# Altium PCB Board.PcbDoc (part 11 of 15) (continued)
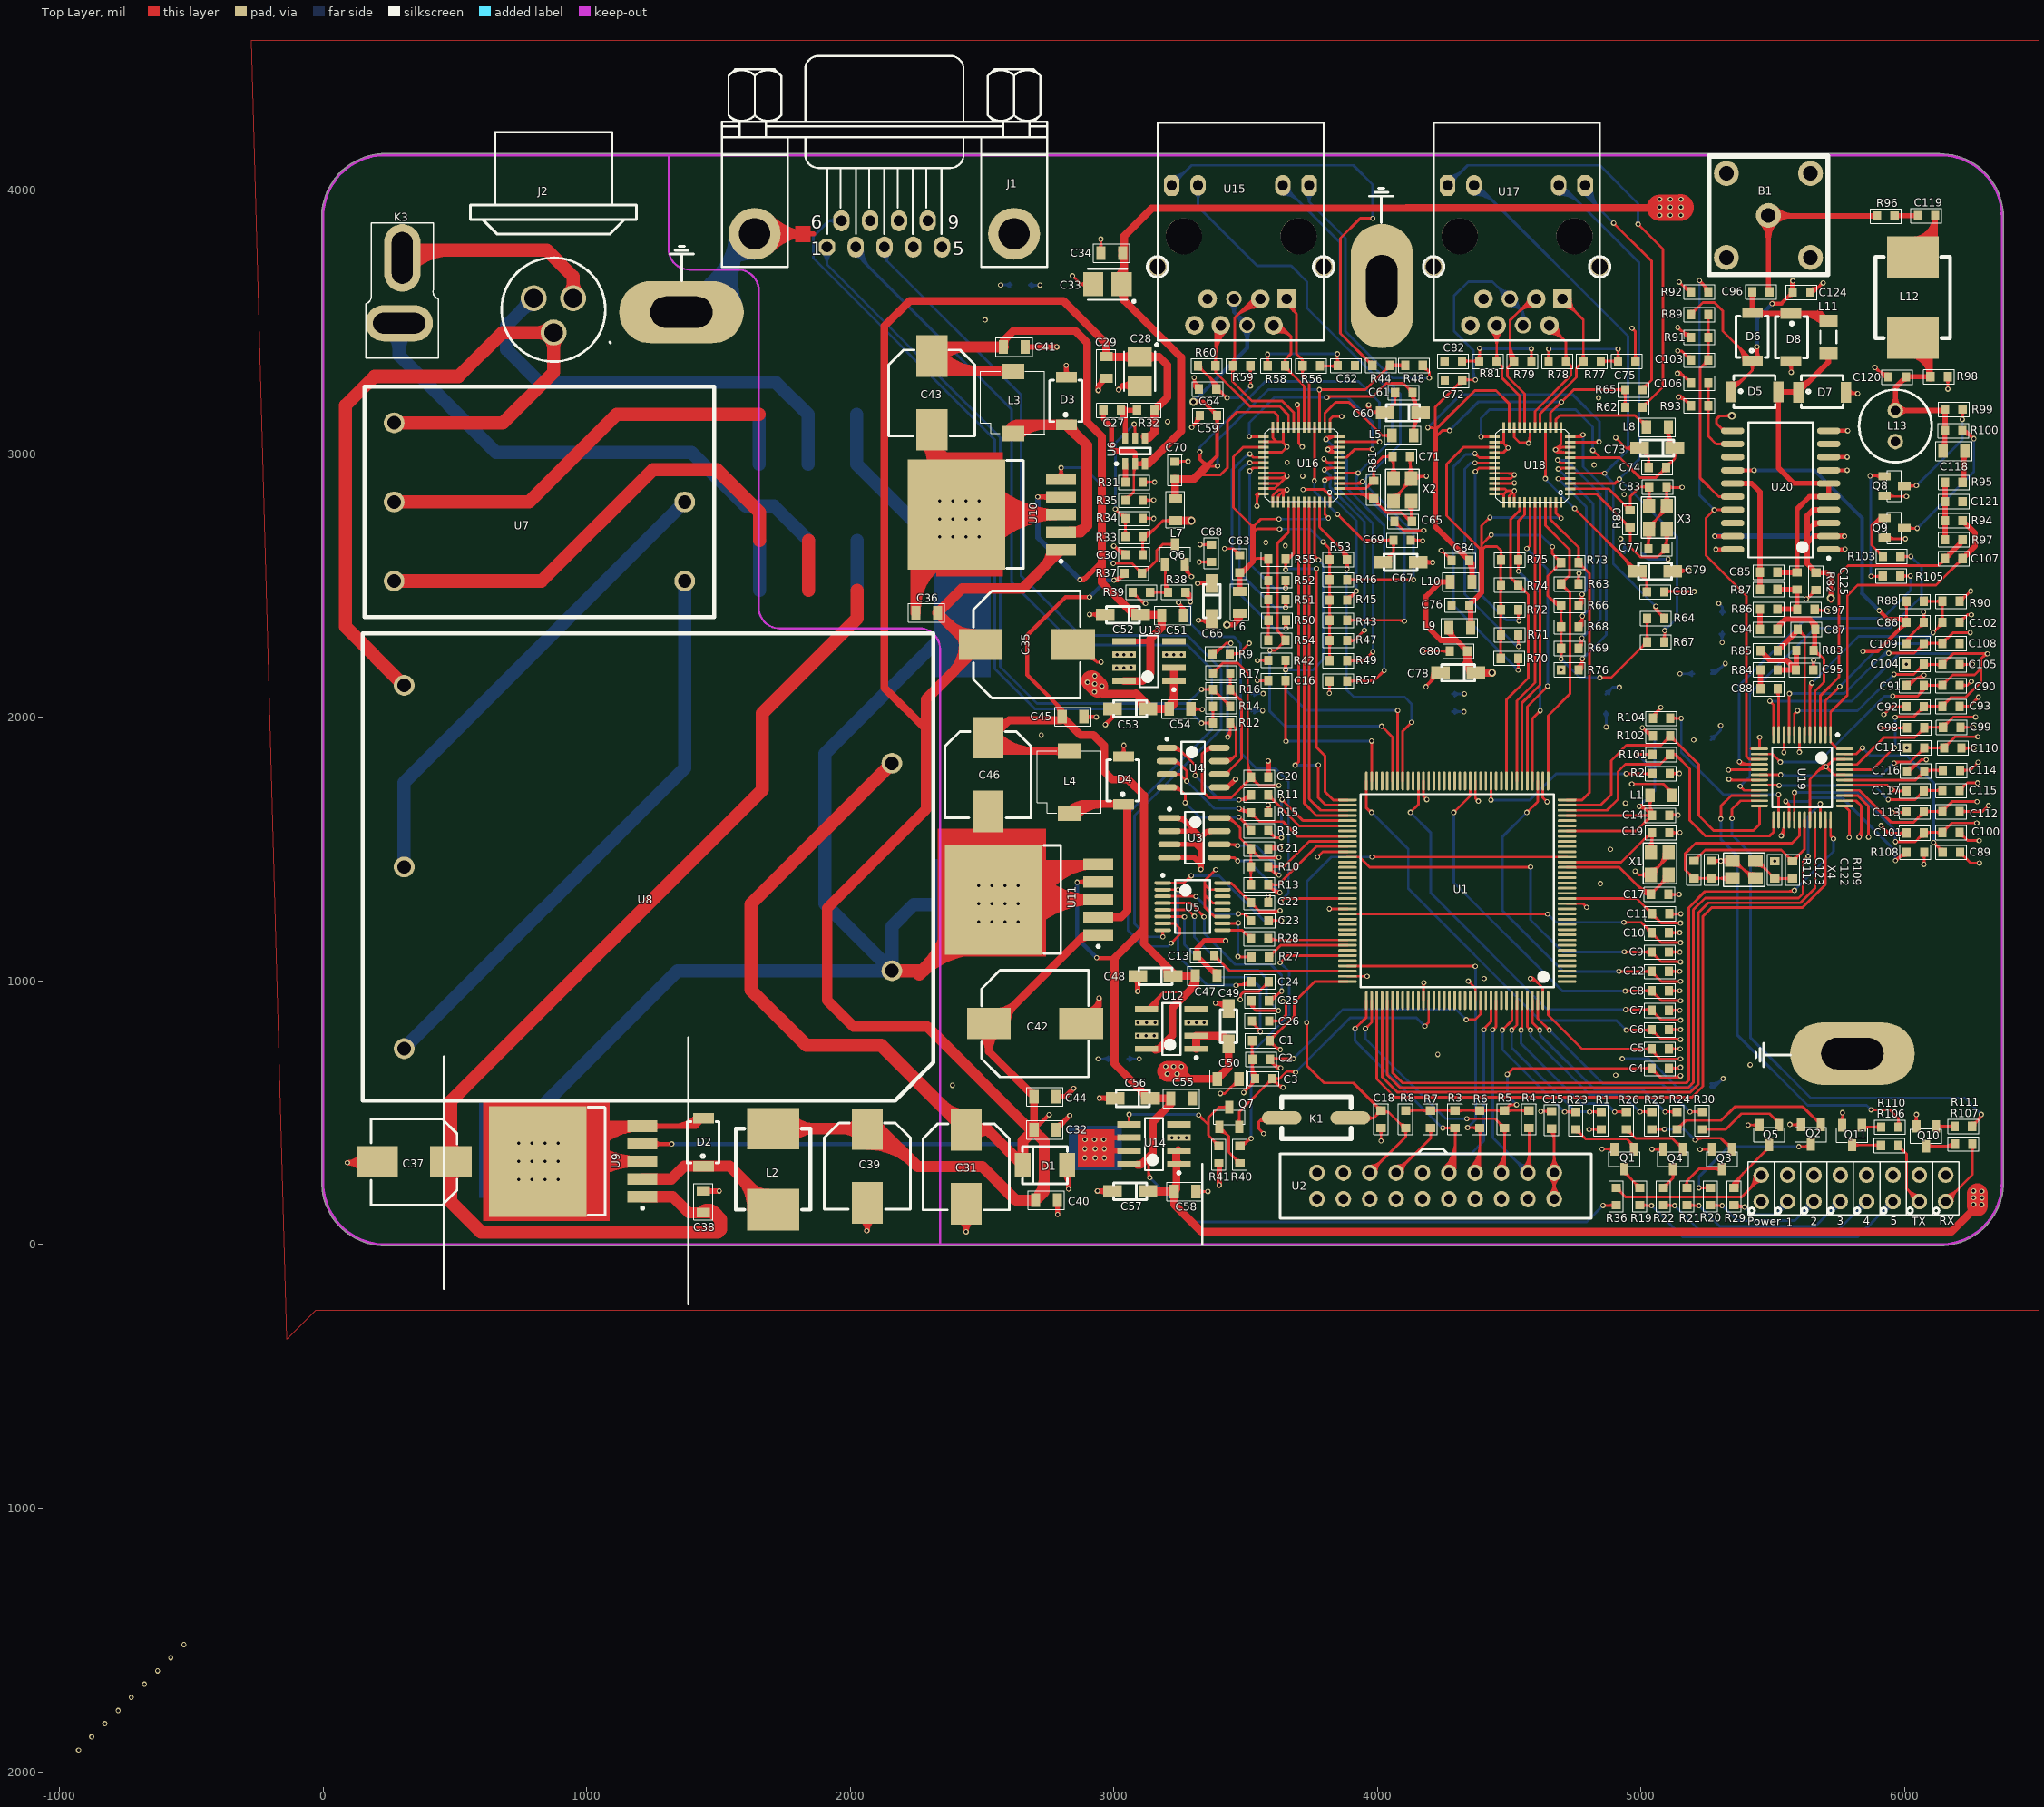
[diagram p0: Top Layer view]
## Nets (pads, with @x,y where several pads share a name; then routed paths per layer and width w, separated by ;. In a path a pad name is that pad's centre, name@x,y a point inside that pad or via, vN(x,y) a via of type N, cw(c..) or ccw(c..) an arc to the next point about the centre after c; other vN are vias at no path point) (continued)
SHDN: R108.1 U19.28 | length 1130.1
  Top Layer w10: v1@5546.6,1684.45 5561.39,1669.66 U19.28@5561.39,1611.03 ; v1(5964.6,1456.45) 5996.6,1488.45 R108.1@6007.6,1488.45 ; v1@5969.43,1455.15 cw(c5984.12,1451.22) 5976.52,1464.39 ; v1@5548.6,1676.45 cw(c5548.6,1661.96) 5558.84,1672.21 ; v1@5548.6,1676.45 cw(c5548.6,1661.96) 5558.84,1672.21 ; v1@5548.6,1676.45 cw(c5548.6,1661.96) 5558.84,1672.21 ; v1@5553.6,1681.45 ccw(c5563.26,1681.45) 5556.43,1674.62 ; v1@5553.6,1681.45 ccw(c5563.26,1681.45) 5556.43,1674.62 ; v1@5553.6,1681.45 ccw(c5563.26,1681.45) 5556.43,1674.62 ; v1@5964.6,1461.45 ccw(c5964.6,1473.52) 5973.13,1464.98 ; v1@5964.6,1461.45 ccw(c5964.6,1473.52) 5973.13,1464.98 ; v1@5964.6,1461.45 ccw(c5964.6,1473.52) 5973.13,1464.98 ; v1@5967.11,1458.96 cw(c6007.6,1418.48) R108.1@6007.6,1475.73 ; v1@5967.11,1458.96 cw(c6007.6,1418.48) R108.1@6007.6,1475.73 ; v1@5967.11,1458.96 cw(c6007.6,1418.48) R108.1@6007.6,1475.73 ; v1@5969.6,1456.45 cw(c5981.67,1456.45) 5973.13,1464.98 ; v1@5969.6,1456.45 cw(c5981.67,1456.45) 5973.13,1464.98 ; v1@5969.6,1456.45 cw(c5981.67,1456.45) 5973.13,1464.98 ; 5984.18,1476.03 cw(c6007.6,1452.62) R108.1@6007.6,1485.73 ; 5984.18,1476.03 cw(c6007.6,1452.62) R108.1@6007.6,1485.73 ; 5984.18,1476.03 cw(c6007.6,1452.62) R108.1@6007.6,1485.73
  Bottom Layer w10: v1(5548.6,1681.45) 5633.6,1681.45 5647.6,1695.45 5761.6,1695.45 5964.6,1492.45 v1(5964.6,1456.45) ; v1@5552.13,1677.91 cw(c5560.67,1669.38) 5560.67,1681.45 ; v1@5552.13,1677.91 cw(c5560.67,1669.38) 5560.67,1681.45 ; v1@5552.13,1677.91 cw(c5560.67,1669.38) 5560.67,1681.45 ; v1@5552.13,1684.98 ccw(c5560.67,1693.52) 5560.67,1681.45 ; v1@5552.13,1684.98 ccw(c5560.67,1693.52) 5560.67,1681.45 ; v1@5552.13,1684.98 ccw(c5560.67,1693.52) 5560.67,1681.45 ; v1@5961.06,1459.98 ccw(c5952.53,1468.52) 5964.6,1468.52 ; v1@5961.06,1459.98 ccw(c5952.53,1468.52) 5964.6,1468.52 ; v1@5961.06,1459.98 ccw(c5952.53,1468.52) 5964.6,1468.52 ; 5964.6,1468.52 ccw(c5976.67,1468.52) v1@5968.13,1459.98 ; 5964.6,1468.52 ccw(c5976.67,1468.52) v1@5968.13,1459.98 ; 5964.6,1468.52 ccw(c5976.67,1468.52) v1@5968.13,1459.98
SIGNAL: B1.2 C96.1 R96.2 | length 1622.6
  Top Layer w20: C96.1@5487.6,3614.45 5482.98,3619.06 B1.2@5482.98,3904.45 5484.98,3902.45 R96.2@5895.6,3902.45 ; B1.2@5456.65,3878.11 cw(c5393.07,3814.53) 5482.98,3814.53 ; B1.2@5456.65,3878.11 cw(c5393.07,3814.53) 5482.98,3814.53 ; B1.2@5456.65,3878.11 cw(c5393.07,3814.53) 5482.98,3814.53 ; 5482.98,3641.43 ccw(c5512.61,3641.43) C96.1@5491.66,3620.48 ; 5482.98,3641.43 ccw(c5512.61,3641.43) C96.1@5491.66,3620.48 ; 5482.98,3641.43 ccw(c5512.61,3641.43) C96.1@5491.66,3620.48 ; 5482.98,3814.53 cw(c5572.9,3814.53) B1.2@5509.32,3878.11 ; 5482.98,3814.53 cw(c5572.9,3814.53) B1.2@5509.32,3878.11 ; 5482.98,3814.53 cw(c5572.9,3814.53) B1.2@5509.32,3878.11 ; B1.2@5509.32,3878.11 cw(c5568.07,3819.36) 5568.07,3902.45 ; B1.2@5509.32,3878.11 cw(c5568.07,3819.36) 5568.07,3902.45 ; B1.2@5509.32,3878.11 cw(c5568.07,3819.36) 5568.07,3902.45 ; B1.2@5509.32,3930.78 ccw(c5577.73,3999.19) 5577.73,3902.45 ; B1.2@5509.32,3930.78 ccw(c5577.73,3999.19) 5577.73,3902.45 ; B1.2@5509.32,3930.78 ccw(c5577.73,3999.19) 5577.73,3902.45
SPD1: R52.2 U16.31 | length 968.4
  Top Layer w10: v1(3515.6,2935.45) 3517.13,2935.45 3528.55,2946.87 U16.31@3567.6,2946.87 ; v1@3647.27,2492.95 ccw(c3635.99,2499.46) R52.2@3648.57,2502.84 ; 3648.92,2501.53 ccw(c3659.66,2504.4) v1@3654.1,2494.78 ; v1@3649.1,2494.78 ccw(c3643.54,2504.4) 3654.28,2501.53 ; v1(3651.6,2490.45) R52.2@3651.6,2519.45 ; R52.2@3654.63,2502.84 ccw(c3667.21,2499.46) v1@3655.93,2492.95 ; R52.2@3644,2509.88 cw(c3625.65,2491.53) v1@3651.6,2491.53 ; R52.2@3644,2509.88 cw(c3625.65,2491.53) v1@3651.6,2491.53 ; R52.2@3644,2509.88 cw(c3625.65,2491.53) v1@3651.6,2491.53 ; v1@3648.06,2493.98 ccw(c3639.53,2502.52) R52.2@3651.6,2502.52 ; v1@3648.06,2493.98 ccw(c3639.53,2502.52) R52.2@3651.6,2502.52 ; v1@3648.06,2493.98 ccw(c3639.53,2502.52) R52.2@3651.6,2502.52 ; v1@3651.6,2491.53 cw(c3677.55,2491.53) R52.2@3659.2,2509.88 ; v1@3651.6,2491.53 cw(c3677.55,2491.53) R52.2@3659.2,2509.88 ; v1@3651.6,2491.53 cw(c3677.55,2491.53) R52.2@3659.2,2509.88 ; R52.2@3651.6,2502.52 ccw(c3663.67,2502.52) v1@3655.13,2493.98 ; R52.2@3651.6,2502.52 ccw(c3663.67,2502.52) v1@3655.13,2493.98 ; R52.2@3651.6,2502.52 ccw(c3663.67,2502.52) v1@3655.13,2493.98 ; v1@3515.6,2940.45 ccw(c3515.6,2956.21) 3526.74,2945.06 cw(c3515.6,2956.21) v1@3515.6,2940.45
  Bottom Layer w10: v1(3515.6,2935.45) 3515.6,2582.45 3607.6,2490.45 v1(3651.6,2490.45) ; v1@3512.06,2931.91 cw(c3503.53,2923.38) 3515.6,2923.38 ; v1@3512.06,2931.91 cw(c3503.53,2923.38) 3515.6,2923.38 ; v1@3512.06,2931.91 cw(c3503.53,2923.38) 3515.6,2923.38 ; 3515.6,2923.38 cw(c3527.67,2923.38) v1@3519.13,2931.91 ; 3515.6,2923.38 cw(c3527.67,2923.38) v1@3519.13,2931.91 ; 3515.6,2923.38 cw(c3527.67,2923.38) v1@3519.13,2931.91 ; 3639.53,2490.45 cw(c3639.53,2478.38) v1@3648.06,2486.91 ; 3639.53,2490.45 ccw(c3639.53,2502.52) v1@3648.06,2493.98 ; 3639.53,2490.45 cw(c3639.53,2478.38) v1@3648.06,2486.91 ; 3639.53,2490.45 ccw(c3639.53,2502.52) v1@3648.06,2493.98 ; 3639.53,2490.45 ccw(c3639.53,2502.52) v1@3648.06,2493.98 ; 3639.53,2490.45 cw(c3639.53,2478.38) v1@3648.06,2486.91
SPD2: R72.2 U18.31 | length 1116.9
  Top Layer w10: v1(4370.6,2932.45) 4384.02,2945.87 U18.31@4443.6,2945.87 ; R72.2@4534.6,2407.95 4534.6,2368.45 v1(4536.6,2366.45) ; v1@4370.6,2937.45 ccw(c4370.6,2949.52) 4379.13,2940.98 ; v1@4370.6,2937.45 ccw(c4370.6,2949.52) 4379.13,2940.98 ; v1@4370.6,2937.45 ccw(c4370.6,2949.52) 4379.13,2940.98 ; v1@4375.6,2932.45 cw(c4387.67,2932.45) 4379.13,2940.98 ; v1@4375.6,2932.45 cw(c4387.67,2932.45) 4379.13,2940.98 ; v1@4375.6,2932.45 cw(c4387.67,2932.45) 4379.13,2940.98 ; R72.2@4527,2398.38 cw(c4508.65,2380.03) 4534.6,2380.03 ; R72.2@4527,2398.38 cw(c4508.65,2380.03) 4534.6,2380.03 ; R72.2@4527,2398.38 cw(c4508.65,2380.03) 4534.6,2380.03 ; 4534.6,2380.03 cw(c4560.55,2380.03) R72.2@4542.2,2398.38 ; 4534.6,2380.03 cw(c4560.55,2380.03) R72.2@4542.2,2398.38 ; 4534.6,2380.03 cw(c4560.55,2380.03) R72.2@4542.2,2398.38 ; 4534.6,2383.35 ccw(c4553.5,2383.35) v1@4540.13,2369.98 ; 4534.6,2383.35 ccw(c4553.5,2383.35) v1@4540.13,2369.98 ; 4534.6,2383.35 ccw(c4553.5,2383.35) v1@4540.13,2369.98
  Bottom Layer w10: v1(4370.6,2932.45) 4370.6,2487.45 4488.6,2369.45 4536.6,2369.45 v1(4536.6,2366.45) ; v1@4367.06,2928.91 cw(c4358.53,2920.38) 4370.6,2920.38 ; v1@4367.06,2928.91 cw(c4358.53,2920.38) 4370.6,2920.38 ; v1@4367.06,2928.91 cw(c4358.53,2920.38) 4370.6,2920.38 ; 4370.6,2920.38 cw(c4382.67,2920.38) v1@4374.13,2928.91 ; 4370.6,2920.38 cw(c4382.67,2920.38) v1@4374.13,2928.91 ; 4370.6,2920.38 cw(c4382.67,2920.38) v1@4374.13,2928.91 ; 4517.28,2369.45 cw(c4517.28,2347.14) v1@4533.06,2362.91 ; 4517.28,2369.45 cw(c4517.28,2347.14) v1@4533.06,2362.91 ; 4517.28,2369.45 cw(c4517.28,2347.14) v1@4533.06,2362.91
SPI3_CLK: U1.111 U19.35 | length 2985.3
  Top Layer w10: U1.111@3997.48,926.11 3997.48,628.05 4066.08,559.45 5193.97,559.45 5234.6,600.08 5234.6,1244.99 5268.05,1278.45 5611.97,1278.45 5699.18,1365.66 U19.35@5699.18,1611.03
SPI3_MISO: U1.112 U19.33 | length 2917.8
  Top Layer w10: U1.112@4017.17,926.11 4017.17,636.2 4075.92,577.45 5186.51,577.45 5216.6,607.54 5216.6,1257.72 5255.33,1296.45 5604.51,1296.45 5659.81,1351.75 U19.33@5659.81,1611.03
SPI3_MOSI: U1.113 U19.34 | length 3212.1
  Top Layer w10: U1.113@4036.85,926.11 4036.85,644.36 4085.76,595.45 5179.05,595.45 5198.6,614.99 5198.6,1270.45 5242.6,1314.45 5597.05,1314.45 5614.83,1332.22 5614.83,1454.68 v1(5633.6,1473.45) ; U19.34@5679.5,1618.03 v1@5679.5,1666.45 ; 5625.06,1464.91 cw(c5633.6,1456.38) v1@5633.6,1468.45 ; 5625.06,1464.91 ccw(c5616.53,1473.45) v1@5628.6,1473.45 ; 5625.06,1464.91 cw(c5633.6,1456.38) v1@5633.6,1468.45 ; 5625.06,1464.91 ccw(c5616.53,1473.45) v1@5628.6,1473.45 ; 5625.06,1464.91 ccw(c5616.53,1473.45) v1@5628.6,1473.45 ; 5625.06,1464.91 cw(c5633.6,1456.38) v1@5633.6,1468.45 ; v1@5676.06,1668.91 cw(c5667.77,1660.62) 5679.5,1660.62 ; v1@5676.06,1668.91 cw(c5667.77,1660.62) 5679.5,1660.62 ; v1@5676.06,1668.91 cw(c5667.77,1660.62) 5679.5,1660.62 ; 5679.5,1660.13 cw(c5691.92,1660.13) v1@5683.13,1668.91 ; 5679.5,1660.13 cw(c5691.92,1660.13) v1@5683.13,1668.91 ; 5679.5,1660.13 cw(c5691.92,1660.13) v1@5683.13,1668.91
  Bottom Layer w10: v1(5633.6,1473.45) 5633.6,1626.45 v1(5679.6,1672.45) ; v1@5630.06,1476.98 ccw(c5621.53,1485.52) 5633.6,1485.52 ; v1@5630.06,1476.98 ccw(c5621.53,1485.52) 5633.6,1485.52 ; v1@5630.06,1476.98 ccw(c5621.53,1485.52) 5633.6,1485.52 ; 5633.6,1485.52 ccw(c5645.67,1485.52) v1@5637.13,1476.98 ; 5633.6,1485.52 ccw(c5645.67,1485.52) v1@5637.13,1476.98 ; 5633.6,1485.52 ccw(c5645.67,1485.52) v1@5637.13,1476.98 ; 5671.06,1663.91 cw(c5679.6,1655.38) v1@5679.6,1667.45 ; 5671.06,1663.91 ccw(c5662.53,1672.45) v1@5674.6,1672.45 ; 5671.06,1663.91 cw(c5679.6,1655.38) v1@5679.6,1667.45 ; 5671.06,1663.91 ccw(c5662.53,1672.45) v1@5674.6,1672.45 ; 5671.06,1663.91 ccw(c5662.53,1672.45) v1@5674.6,1672.45 ; 5671.06,1663.91 cw(c5679.6,1655.38) v1@5679.6,1667.45
SPI3_NSS: U1.114 U19.36 | length 3029.2
  Top Layer w10: U1.114@4056.54,926.11 4056.54,652.51 4095.6,613.45 5171.6,613.45 5180.6,622.45 5180.6,1277.9 5242.14,1339.45 v1@5584.6,1339.45 ; U19.36@5718.87,1611.03 5718.87,1550.18 v1(5729.6,1539.45) ; v1@5724.6,1539.45 ccw(c5712.53,1539.45) 5721.06,1547.98 ccw(c5729.6,1556.52) v1@5729.6,1544.45 ; 5559.87,1339.45 ccw(c5559.87,1365.18) v1@5578.06,1346.98 ; 5559.87,1339.45 ccw(c5559.87,1365.18) v1@5578.06,1346.98 ; 5559.87,1339.45 ccw(c5559.87,1365.18) v1@5578.06,1346.98
  Bottom Layer w10: v1(5581.6,1343.45) 5729.6,1491.45 v1(5729.6,1539.45) ; v1@5581.6,1348.45 ccw(c5581.6,1360.52) 5590.13,1351.98 ; v1@5581.6,1348.45 ccw(c5581.6,1360.52) 5590.13,1351.98 ; v1@5581.6,1348.45 ccw(c5581.6,1360.52) 5590.13,1351.98 ; v1@5586.6,1343.45 cw(c5598.67,1343.45) 5590.13,1351.98 ; v1@5586.6,1343.45 cw(c5598.67,1343.45) 5590.13,1351.98 ; v1@5586.6,1343.45 cw(c5598.67,1343.45) 5590.13,1351.98 ; v1@5726.06,1535.91 cw(c5717.53,1527.38) 5729.6,1527.38 ; v1@5726.06,1535.91 cw(c5717.53,1527.38) 5729.6,1527.38 ; v1@5726.06,1535.91 cw(c5717.53,1527.38) 5729.6,1527.38 ; 5729.6,1527.38 cw(c5741.67,1527.38) v1@5733.13,1535.91 ; 5729.6,1527.38 cw(c5741.67,1527.38) v1@5733.13,1535.91 ; 5729.6,1527.38 cw(c5741.67,1527.38) v1@5733.13,1535.91
TCK: R3.1 U1.109 U2.9 | length 2457.9
  Top Layer w10: v1(3914.6,819.45) 3958.11,862.96 U1.109@3958.11,926.11 ; v1(4247.6,442.45) R3.1@4294.1,442.45 ; U2.9@4270.6,272.45 4295.1,296.95 ; U2.9@4282.69,295.26 ccw(c4287.78,304.26) 4295.1,296.95 ; U2.9@4292.85,284.25 cw(c4303.06,288.99) 4295.1,296.95 ; R3.1@4295.1,436.45 4295.1,296.95 ; v1@3914.6,824.45 ccw(c3914.6,836.52) 3923.13,827.98 ; v1@3914.6,824.45 ccw(c3914.6,836.52) 3923.13,827.98 ; v1@3914.6,824.45 ccw(c3914.6,836.52) 3923.13,827.98 ; v1@3919.6,819.45 cw(c3931.67,819.45) 3923.13,827.98 ; v1@3919.6,819.45 cw(c3931.67,819.45) 3923.13,827.98 ; v1@3919.6,819.45 cw(c3931.67,819.45) 3923.13,827.98 ; v1@4251.13,438.91 cw(c4259.67,430.38) 4259.67,442.45 ; v1@4251.13,438.91 cw(c4259.67,430.38) 4259.67,442.45 ; v1@4251.13,438.91 cw(c4259.67,430.38) 4259.67,442.45 ; v1@4251.13,445.98 ccw(c4259.67,454.52) 4259.67,442.45 ; v1@4251.13,445.98 ccw(c4259.67,454.52) 4259.67,442.45 ; v1@4251.13,445.98 ccw(c4259.67,454.52) 4259.67,442.45 ; U2.9@4253.25,291.26 ccw(c4152.24,392.28) 4295.1,392.28 ; U2.9@4253.25,291.26 ccw(c4152.24,392.28) 4295.1,392.28 ; U2.9@4253.25,291.26 ccw(c4152.24,392.28) 4295.1,392.28 ; U2.9@4260.33,284.19 ccw(c4176.38,368.14) 4295.1,368.14 ; U2.9@4260.33,284.19 ccw(c4176.38,368.14) 4295.1,368.14 ; U2.9@4260.33,284.19 ccw(c4176.38,368.14) 4295.1,368.14 ; 4266.18,442.45 cw(c4266.18,416.5) R3.1@4284.53,434.85 ; 4266.18,442.45 ccw(c4266.18,468.4) R3.1@4284.53,450.05 ; 4266.18,442.45 cw(c4266.18,416.5) R3.1@4284.53,434.85 ; 4266.18,442.45 ccw(c4266.18,468.4) R3.1@4284.53,450.05 ; 4266.18,442.45 ccw(c4266.18,468.4) R3.1@4284.53,450.05 ; 4266.18,442.45 cw(c4266.18,416.5) R3.1@4284.53,434.85 ; U2.9@4267.4,277.12 ccw(c4200.52,344) 4295.1,344 ; U2.9@4267.4,277.12 ccw(c4200.52,344) 4295.1,344 ; U2.9@4267.4,277.12 ccw(c4200.52,344) 4295.1,344 ; U2.9@4274.47,270.05 ccw(c4224.66,319.86) 4295.1,319.86 ; U2.9@4274.47,270.05 ccw(c4224.66,319.86) 4295.1,319.86 ; U2.9@4274.47,270.05 ccw(c4224.66,319.86) 4295.1,319.86 ; U2.9@4281.54,262.98 ccw(c4248.8,295.72) 4295.1,295.72 ; U2.9@4281.54,262.98 ccw(c4248.8,295.72) 4295.1,295.72 ; U2.9@4281.54,262.98 ccw(c4248.8,295.72) 4295.1,295.72 ; R3.1@4288.47,434.85 cw(c4272.46,418.84) 4295.1,418.84 ; R3.1@4288.47,434.85 cw(c4272.46,418.84) 4295.1,418.84 ; R3.1@4288.47,434.85 cw(c4272.46,418.84) 4295.1,418.84 ; 4295.1,414.16 cw(c4324.35,414.16) R3.1@4303.67,434.85 ; 4295.1,414.16 cw(c4324.35,414.16) R3.1@4303.67,434.85 ; 4295.1,414.16 cw(c4324.35,414.16) R3.1@4303.67,434.85
  Bottom Layer w10: v1(3914.6,819.45) 3914.6,773.45 4245.6,442.45 v1(4247.6,442.45) ; v1@3911.06,815.91 cw(c3902.53,807.38) 3914.6,807.38 ; v1@3911.06,815.91 cw(c3902.53,807.38) 3914.6,807.38 ; v1@3911.06,815.91 cw(c3902.53,807.38) 3914.6,807.38 ; 3914.6,807.38 cw(c3926.67,807.38) v1@3918.13,815.91 ; 3914.6,807.38 cw(c3926.67,807.38) v1@3918.13,815.91 ; 3914.6,807.38 cw(c3926.67,807.38) v1@3918.13,815.91 ; 4235.65,452.4 ccw(c4247.6,464.35) v1@4247.6,447.45 ; 4235.65,452.4 ccw(c4247.6,464.35) v1@4247.6,447.45 ; 4235.65,452.4 ccw(c4247.6,464.35) v1@4247.6,447.45
TDI: R5.1 U1.110 U2.5 | length 2034.5
  Top Layer w10: v1(3954.6,819.45) 3977.8,842.65 U1.110@3977.8,926.11 ; v1(4338.6,477.45) 4446.1,477.45 R5.1@4481.1,442.45 ; U2.5@4470.6,272.45 4482.1,283.95 R5.1@4482.1,436.45 ; v1@3954.6,824.45 ccw(c3954.6,836.52) 3963.13,827.98 ; v1@3954.6,824.45 ccw(c3954.6,836.52) 3963.13,827.98 ; v1@3954.6,824.45 ccw(c3954.6,836.52) 3963.13,827.98 ; v1@3959.6,819.45 cw(c3971.67,819.45) 3963.13,827.98 ; v1@3959.6,819.45 cw(c3971.67,819.45) 3963.13,827.98 ; v1@3959.6,819.45 cw(c3971.67,819.45) 3963.13,827.98 ; v1@4342.13,473.91 cw(c4350.67,465.38) 4350.67,477.45 ; v1@4342.13,473.91 cw(c4350.67,465.38) 4350.67,477.45 ; v1@4342.13,473.91 cw(c4350.67,465.38) 4350.67,477.45 ; v1@4342.13,480.98 ccw(c4350.67,489.52) 4350.67,477.45 ; v1@4342.13,480.98 ccw(c4350.67,489.52) 4350.67,477.45 ; v1@4342.13,480.98 ccw(c4350.67,489.52) 4350.67,477.45 ; U2.5@4453.25,291.26 ccw(c4383.62,360.9) 4482.1,360.9 ; U2.5@4453.25,291.26 ccw(c4383.62,360.9) 4482.1,360.9 ; U2.5@4453.25,291.26 ccw(c4383.62,360.9) 4482.1,360.9 ; 4459.39,464.16 cw(c4437.68,442.45) R5.1@4468.38,442.45 ; 4459.39,464.16 cw(c4437.68,442.45) R5.1@4468.38,442.45 ; 4459.39,464.16 cw(c4437.68,442.45) R5.1@4468.38,442.45 ; U2.5@4460.33,284.19 ccw(c4407.76,336.76) 4482.1,336.76 ; U2.5@4460.33,284.19 ccw(c4407.76,336.76) 4482.1,336.76 ; U2.5@4460.33,284.19 ccw(c4407.76,336.76) 4482.1,336.76 ; 4464.14,459.4 ccw(c4479.13,474.39) R5.1@4479.13,453.2 ; 4464.14,459.4 ccw(c4479.13,474.39) R5.1@4479.13,453.2 ; 4464.14,459.4 ccw(c4479.13,474.39) R5.1@4479.13,453.2 ; U2.5@4467.4,277.12 ccw(c4431.9,312.62) 4482.1,312.62 ; U2.5@4467.4,277.12 ccw(c4431.9,312.62) 4482.1,312.62 ; U2.5@4467.4,277.12 ccw(c4431.9,312.62) 4482.1,312.62 ; R5.1@4475.47,434.85 cw(c4459.46,418.84) 4482.1,418.84 ; R5.1@4475.47,434.85 cw(c4459.46,418.84) 4482.1,418.84 ; R5.1@4475.47,434.85 cw(c4459.46,418.84) 4482.1,418.84 ; 4482.1,305.37 ccw(c4502.05,305.37) U2.5@4487.94,291.26 ; 4482.1,305.37 ccw(c4502.05,305.37) U2.5@4487.94,291.26 ; 4482.1,305.37 ccw(c4502.05,305.37) U2.5@4487.94,291.26 ; 4482.1,414.16 cw(c4511.35,414.16) R5.1@4490.67,434.85 ; 4482.1,414.16 cw(c4511.35,414.16) R5.1@4490.67,434.85 ; 4482.1,414.16 cw(c4511.35,414.16) R5.1@4490.67,434.85
  Bottom Layer w10: v1(3954.6,819.45) 3954.6,781.45 4258.6,477.45 v1(4338.6,477.45) ; v1@3951.06,815.91 cw(c3942.53,807.38) 3954.6,807.38 ; v1@3951.06,815.91 cw(c3942.53,807.38) 3954.6,807.38 ; v1@3951.06,815.91 cw(c3942.53,807.38) 3954.6,807.38 ; 3954.6,807.38 cw(c3966.67,807.38) v1@3958.13,815.91 ; 3954.6,807.38 cw(c3966.67,807.38) v1@3958.13,815.91 ; 3954.6,807.38 cw(c3966.67,807.38) v1@3958.13,815.91 ; 4326.53,477.45 cw(c4326.53,465.38) v1@4335.06,473.91 ; 4326.53,477.45 ccw(c4326.53,489.52) v1@4335.06,480.98 ; 4326.53,477.45 cw(c4326.53,465.38) v1@4335.06,473.91 ; 4326.53,477.45 ccw(c4326.53,489.52) v1@4335.06,480.98 ; 4326.53,477.45 ccw(c4326.53,489.52) v1@4335.06,480.98 ; 4326.53,477.45 cw(c4326.53,465.38) v1@4335.06,473.91
TDO: R7.1 U1.133 U2.13 | length 2264.2
  Top Layer w10: U2.13@4070.6,272.45 4201.6,403.45 R7.1@4201.6,436.45 ; v1(4403.6,814.45) 4403.6,818.45 4430.55,845.4 U1.133@4430.55,926.11 ; U2.13@4070.6,288.45 ccw(c4070.6,327.08) 4097.91,299.76 ; U2.13@4070.6,288.45 ccw(c4070.6,327.08) 4097.91,299.76 ; U2.13@4070.6,288.45 ccw(c4070.6,327.08) 4097.91,299.76 ; U2.13@4070.6,298.45 ccw(c4070.6,361.22) 4114.98,316.83 ; U2.13@4070.6,298.45 ccw(c4070.6,361.22) 4114.98,316.83 ; U2.13@4070.6,298.45 ccw(c4070.6,361.22) 4114.98,316.83 ; U2.13@4085.13,273.92 cw(c4116.64,273.92) 4094.36,296.21 ; U2.13@4085.13,273.92 cw(c4116.64,273.92) 4094.36,296.21 ; U2.13@4085.13,273.92 cw(c4116.64,273.92) 4094.36,296.21 ; U2.13@4095.13,273.92 cw(c4150.79,273.92) 4111.43,313.28 ; U2.13@4095.13,273.92 cw(c4150.79,273.92) 4111.43,313.28 ; U2.13@4095.13,273.92 cw(c4150.79,273.92) 4111.43,313.28 ; R7.1@4194.97,434.85 cw(c4178.96,418.84) 4201.6,418.84 ; R7.1@4194.97,434.85 cw(c4178.96,418.84) 4201.6,418.84 ; R7.1@4194.97,434.85 cw(c4178.96,418.84) 4201.6,418.84 ; 4201.6,414.16 cw(c4230.85,414.16) R7.1@4210.17,434.85 ; 4201.6,414.16 cw(c4230.85,414.16) R7.1@4210.17,434.85 ; 4201.6,414.16 cw(c4230.85,414.16) R7.1@4210.17,434.85 ; v1@4408.6,814.45 cw(c4430.33,814.45) 4414.96,829.81 ; v1@4408.6,814.45 cw(c4430.33,814.45) 4414.96,829.81 ; v1@4408.6,814.45 cw(c4430.33,814.45) 4414.96,829.81
  Bottom Layer w10: U2.13@4070.6,272.45 4142.6,344.45 4354.6,344.45 4403.6,393.45 v1(4403.6,814.45) ; U2.13@4070.6,288.45 ccw(c4070.6,327.08) 4097.91,299.76 ; U2.13@4070.6,288.45 ccw(c4070.6,327.08) 4097.91,299.76 ; U2.13@4070.6,288.45 ccw(c4070.6,327.08) 4097.91,299.76 ; U2.13@4070.6,298.45 ccw(c4070.6,361.22) 4114.98,316.83 ; U2.13@4070.6,298.45 ccw(c4070.6,361.22) 4114.98,316.83 ; U2.13@4070.6,298.45 ccw(c4070.6,361.22) 4114.98,316.83 ; U2.13@4085.13,273.92 cw(c4116.64,273.92) 4094.36,296.21 ; U2.13@4085.13,273.92 cw(c4116.64,273.92) 4094.36,296.21 ; U2.13@4085.13,273.92 cw(c4116.64,273.92) 4094.36,296.21 ; U2.13@4095.13,273.92 cw(c4150.79,273.92) 4111.43,313.28 ; U2.13@4095.13,273.92 cw(c4150.79,273.92) 4111.43,313.28 ; U2.13@4095.13,273.92 cw(c4150.79,273.92) 4111.43,313.28 ; v1@4400.06,810.91 cw(c4391.53,802.38) 4403.6,802.38 ; v1@4400.06,810.91 cw(c4391.53,802.38) 4403.6,802.38 ; v1@4400.06,810.91 cw(c4391.53,802.38) 4403.6,802.38 ; 4403.6,802.38 cw(c4415.67,802.38) v1@4407.13,810.91 ; 4403.6,802.38 cw(c4415.67,802.38) v1@4407.13,810.91 ; 4403.6,802.38 cw(c4415.67,802.38) v1@4407.13,810.91
TMS: R6.1 U1.105 U2.7 | length 2559.5
  Top Layer w10: U1.105@3886.26,1057.02 4369.03,1057.02 v1(4370.6,1055.45) ; v1(4341.6,443.45) 4386.6,443.45 R6.1@4387.6,442.45 ; U2.7@4370.6,272.45 4388.6,290.45 R6.1@4388.6,436.45 ; v1@4345.13,439.91 cw(c4353.67,431.38) 4353.67,443.45 ; v1@4345.13,439.91 cw(c4353.67,431.38) 4353.67,443.45 ; v1@4345.13,439.91 cw(c4353.67,431.38) 4353.67,443.45 ; v1@4345.13,446.98 ccw(c4353.67,455.52) 4353.67,443.45 ; v1@4345.13,446.98 ccw(c4353.67,455.52) 4353.67,443.45 ; v1@4345.13,446.98 ccw(c4353.67,455.52) 4353.67,443.45 ; U2.7@4353.25,291.26 ccw(c4267.93,376.59) 4388.6,376.59 ; U2.7@4353.25,291.26 ccw(c4267.93,376.59) 4388.6,376.59 ; U2.7@4353.25,291.26 ccw(c4267.93,376.59) 4388.6,376.59 ; 4354.74,1057.02 cw(c4354.74,1039.59) v1@4367.06,1051.91 ; 4354.74,1057.02 cw(c4354.74,1039.59) v1@4367.06,1051.91 ; 4354.74,1057.02 cw(c4354.74,1039.59) v1@4367.06,1051.91 ; 4357.27,443.45 cw(c4357.27,414.09) R6.1@4378.03,434.85 ; 4357.27,443.45 cw(c4357.27,414.09) R6.1@4378.03,434.85 ; 4357.27,443.45 cw(c4357.27,414.09) R6.1@4378.03,434.85 ; U2.7@4360.33,284.19 ccw(c4292.07,352.45) 4388.6,352.45 ; U2.7@4360.33,284.19 ccw(c4292.07,352.45) 4388.6,352.45 ; U2.7@4360.33,284.19 ccw(c4292.07,352.45) 4388.6,352.45 ; 4362.1,443.45 ccw(c4362.1,465.98) R6.1@4378.03,450.05 ; 4362.1,443.45 ccw(c4362.1,465.98) R6.1@4378.03,450.05 ; 4362.1,443.45 ccw(c4362.1,465.98) R6.1@4378.03,450.05 ; U2.7@4367.4,277.12 ccw(c4316.21,328.31) 4388.6,328.31 ; U2.7@4367.4,277.12 ccw(c4316.21,328.31) 4388.6,328.31 ; U2.7@4367.4,277.12 ccw(c4316.21,328.31) 4388.6,328.31 ; U2.7@4374.47,270.05 ccw(c4340.35,304.17) 4388.6,304.17 ; U2.7@4374.47,270.05 ccw(c4340.35,304.17) 4388.6,304.17 ; U2.7@4374.47,270.05 ccw(c4340.35,304.17) 4388.6,304.17 ; R6.1@4381.97,434.85 cw(c4365.96,418.84) 4388.6,418.84 ; R6.1@4381.97,434.85 cw(c4365.96,418.84) 4388.6,418.84 ; R6.1@4381.97,434.85 cw(c4365.96,418.84) 4388.6,418.84 ; 4388.6,414.16 cw(c4417.85,414.16) R6.1@4397.17,434.85 ; 4388.6,414.16 cw(c4417.85,414.16) R6.1@4397.17,434.85 ; 4388.6,414.16 cw(c4417.85,414.16) R6.1@4397.17,434.85
  Bottom Layer w10: v1(4341.6,443.45) 4371.6,473.45 4371.6,1054.45 v1(4370.6,1055.45) ; v1@4341.6,448.45 ccw(c4341.6,460.52) 4350.13,451.98 ; v1@4341.6,448.45 ccw(c4341.6,460.52) 4350.13,451.98 ; v1@4341.6,448.45 ccw(c4341.6,460.52) 4350.13,451.98 ; v1@4346.6,443.45 cw(c4358.67,443.45) 4350.13,451.98 ; v1@4346.6,443.45 cw(c4358.67,443.45) 4350.13,451.98 ; v1@4346.6,443.45 cw(c4358.67,443.45) 4350.13,451.98 ; v1@4367.06,1051.91 cw(c4356.11,1040.96) 4371.6,1040.96 ; v1@4367.06,1051.91 cw(c4356.11,1040.96) 4371.6,1040.96 ; v1@4367.06,1051.91 cw(c4356.11,1040.96) 4371.6,1040.96
TX1_N: R58.1 U15.2 U16.18 | length 1169.6
  Top Layer w10: U15.2@3608.48,3477.84 cw(c3620.59,3439.23) 3649.2,3467.84 ; U15.2@3611.47,3468.3 cw(c3626.16,3421.46) 3660.88,3456.17 ; U15.2@3614.46,3458.76 cw(c3631.74,3403.69) 3672.55,3444.5 ; U15.2@3634.6,3482.45 3672.55,3444.5 ; U16.18@3721.44,3100.72 3721.44,3257.32 3649.5,3329.26 R58.1@3649.5,3334.01 3649.5,3357.45 ; U15.2@3635.79,3487.8 ccw(c3651.56,3487.8) 3640.41,3476.64 ; U15.2@3635.79,3487.8 ccw(c3651.56,3487.8) 3640.41,3476.64 ; U15.2@3635.79,3487.8 ccw(c3651.56,3487.8) 3640.41,3476.64 ; R58.1@3643.06,3344.58 ccw(c3633.43,3357.45) 3649.5,3357.45 ; R58.1@3643.06,3344.58 ccw(c3633.43,3357.45) 3649.5,3357.45 ; R58.1@3643.06,3344.58 ccw(c3633.43,3357.45) 3649.5,3357.45 ; R58.1@3649.5,3321.29 cw(c3649.5,3302.04) 3663.11,3315.65 ; R58.1@3649.5,3321.29 cw(c3649.5,3302.04) 3663.11,3315.65 ; R58.1@3649.5,3321.29 cw(c3649.5,3302.04) 3663.11,3315.65 ; 3649.5,3357.45 ccw(c3665.57,3357.45) R58.1@3655.94,3344.58 ; 3649.5,3357.45 ccw(c3665.57,3357.45) R58.1@3655.94,3344.58 ; 3649.5,3357.45 ccw(c3665.57,3357.45) R58.1@3655.94,3344.58 ; 3649.5,3357.45 3672.55,3380.5 3672.55,3444.5 ; R58.1@3660.25,3332.04 ccw(c3692.89,3332.04) 3669.81,3308.95 ; R58.1@3660.25,3332.04 ccw(c3692.89,3332.04) 3669.81,3308.95 ; R58.1@3660.25,3332.04 ccw(c3692.89,3332.04) 3669.81,3308.95 ; U15.2@3605.41,3487.37 cw(c3611.39,3444.62) 3641.91,3475.14 ccw(c3611.39,3444.62) U15.2@3605.41,3487.37 ; U15.2@3606.8,3477.46 cw(c3614.87,3419.71) 3656.1,3460.94 ccw(c3614.87,3419.71) U15.2@3606.8,3477.46 ; U15.2@3608.18,3467.56 cw(c3618.35,3394.8) 3670.3,3446.75 ccw(c3618.35,3394.8) U15.2@3608.18,3467.56
TX1_P: R56.1 U15.1 U16.17 | length 1033.2
  Top Layer w10: U15.1@3646.6,3577.45 3692.55,3531.5 ; U15.1@3665.01,3583.85 ccw(c3691.52,3573.02) U15.1@3671.27,3552.78 ; U15.1@3674.27,3580.07 ccw(c3706.62,3566.85) 3681.91,3542.14 ; U15.1@3683.53,3576.29 ccw(c3721.73,3560.68) 3692.55,3531.5 ; 3740.6,3266.45 3715.6,3291.45 R56.1@3715.6,3333.45 3715.6,3356.45 ; U16.17@3741.13,3100.72 3741.13,3265.92 ; U15.1@3655.35,3557.36 cw(c3655.35,3530.01) 3674.7,3549.35 ; U15.1@3655.35,3557.36 cw(c3655.35,3530.01) 3674.7,3549.35 ; U15.1@3655.35,3557.36 cw(c3655.35,3530.01) 3674.7,3549.35 ; 3692.55,3531.5 3692.55,3379.5 3715.6,3356.45 ; R56.1@3708,3323.88 cw(c3689.65,3305.53) 3715.6,3305.53 ; R56.1@3708,3323.88 cw(c3689.65,3305.53) 3715.6,3305.53 ; R56.1@3708,3323.88 cw(c3689.65,3305.53) 3715.6,3305.53 ; R56.1@3709.3,3344.13 ccw(c3700.4,3356.45) 3715.6,3356.45 ; R56.1@3709.3,3344.13 ccw(c3700.4,3356.45) 3715.6,3356.45 ; R56.1@3709.3,3344.13 ccw(c3700.4,3356.45) 3715.6,3356.45 ; 3715.6,3305.53 cw(c3741.55,3305.53) R56.1@3723.2,3323.88 ; 3715.6,3305.53 cw(c3741.55,3305.53) R56.1@3723.2,3323.88 ; 3715.6,3305.53 cw(c3741.55,3305.53) R56.1@3723.2,3323.88 ; 3715.6,3356.45 ccw(c3730.8,3356.45) R56.1@3721.89,3344.13 ; 3715.6,3356.45 ccw(c3730.8,3356.45) R56.1@3721.89,3344.13 ; 3715.6,3356.45 ccw(c3730.8,3356.45) R56.1@3721.89,3344.13 ; U15.1@3672.14,3576.15 ccw(c3689.28,3564.26) 3674.53,3549.52 cw(c3689.28,3564.26) U15.1@3672.14,3576.15 ; U15.1@3680.36,3570.45 ccw(c3699.27,3557.33) 3683,3541.05 cw(c3699.27,3557.33) U15.1@3680.36,3570.45
TX2_N: R78.1 U17.2 U18.18 | length 1293.7
  Top Layer w10: U18.18@4597.44,3099.72 4597.44,3125.45 4597.28,3125.61 4597.28,3161.14 4734.6,3298.45 4734.6,3332.72 ; U17.2@4652.09,3487.8 4715.31,3424.57 R78.1@4715.31,3352.01 4734.6,3332.72 ; R78.1@4716.29,3339.34 cw(c4718.39,3316.51) 4734.6,3332.72 ; U17.2@4652.09,3457.36 cw(c4652.09,3383.89) 4704.04,3435.84 ; U17.2@4652.09,3457.36 cw(c4652.09,3383.89) 4704.04,3435.84 ; U17.2@4652.09,3457.36 cw(c4652.09,3383.89) 4704.04,3435.84 ; U17.2@4652.09,3467.36 cw(c4652.09,3418.03) 4686.97,3452.91 ; U17.2@4652.09,3467.36 cw(c4652.09,3418.03) 4686.97,3452.91 ; U17.2@4652.09,3467.36 cw(c4652.09,3418.03) 4686.97,3452.91 ; U17.2@4672.52,3487.8 ccw(c4721.85,3487.8) 4686.97,3452.91 ; U17.2@4672.52,3487.8 ccw(c4721.85,3487.8) 4686.97,3452.91 ; U17.2@4672.52,3487.8 ccw(c4721.85,3487.8) 4686.97,3452.91 ; U17.2@4682.52,3487.8 ccw(c4755.99,3487.8) 4704.04,3435.84 ; U17.2@4682.52,3487.8 ccw(c4755.99,3487.8) 4704.04,3435.84 ; U17.2@4682.52,3487.8 ccw(c4755.99,3487.8) 4704.04,3435.84 ; R78.1@4707.71,3361.58 ccw(c4689.36,3379.92) 4715.31,3379.92 ; R78.1@4707.71,3361.58 ccw(c4689.36,3379.92) 4715.31,3379.92 ; R78.1@4707.71,3361.58 ccw(c4689.36,3379.92) 4715.31,3379.92 ; 4715.31,3379.92 ccw(c4741.26,3379.92) R78.1@4722.91,3361.58 ; 4715.31,3379.92 ccw(c4741.26,3379.92) R78.1@4722.91,3361.58 ; 4715.31,3379.92 ccw(c4741.26,3379.92) R78.1@4722.91,3361.58 ; R78.1@4726.06,3350.04 ccw(c4747.25,3350.04) 4732.26,3335.05 ; R78.1@4726.06,3350.04 ccw(c4747.25,3350.04) 4732.26,3335.05 ; R78.1@4726.06,3350.04 ccw(c4747.25,3350.04) 4732.26,3335.05 ; R78.1@4715.87,3339.31 cw(c4717.22,3313.37) 4735.58,3331.73 ccw(c4717.22,3313.37) R78.1@4715.87,3339.31